# KiCad board modulo_seguidor-panel.kicad_pcb (continued)
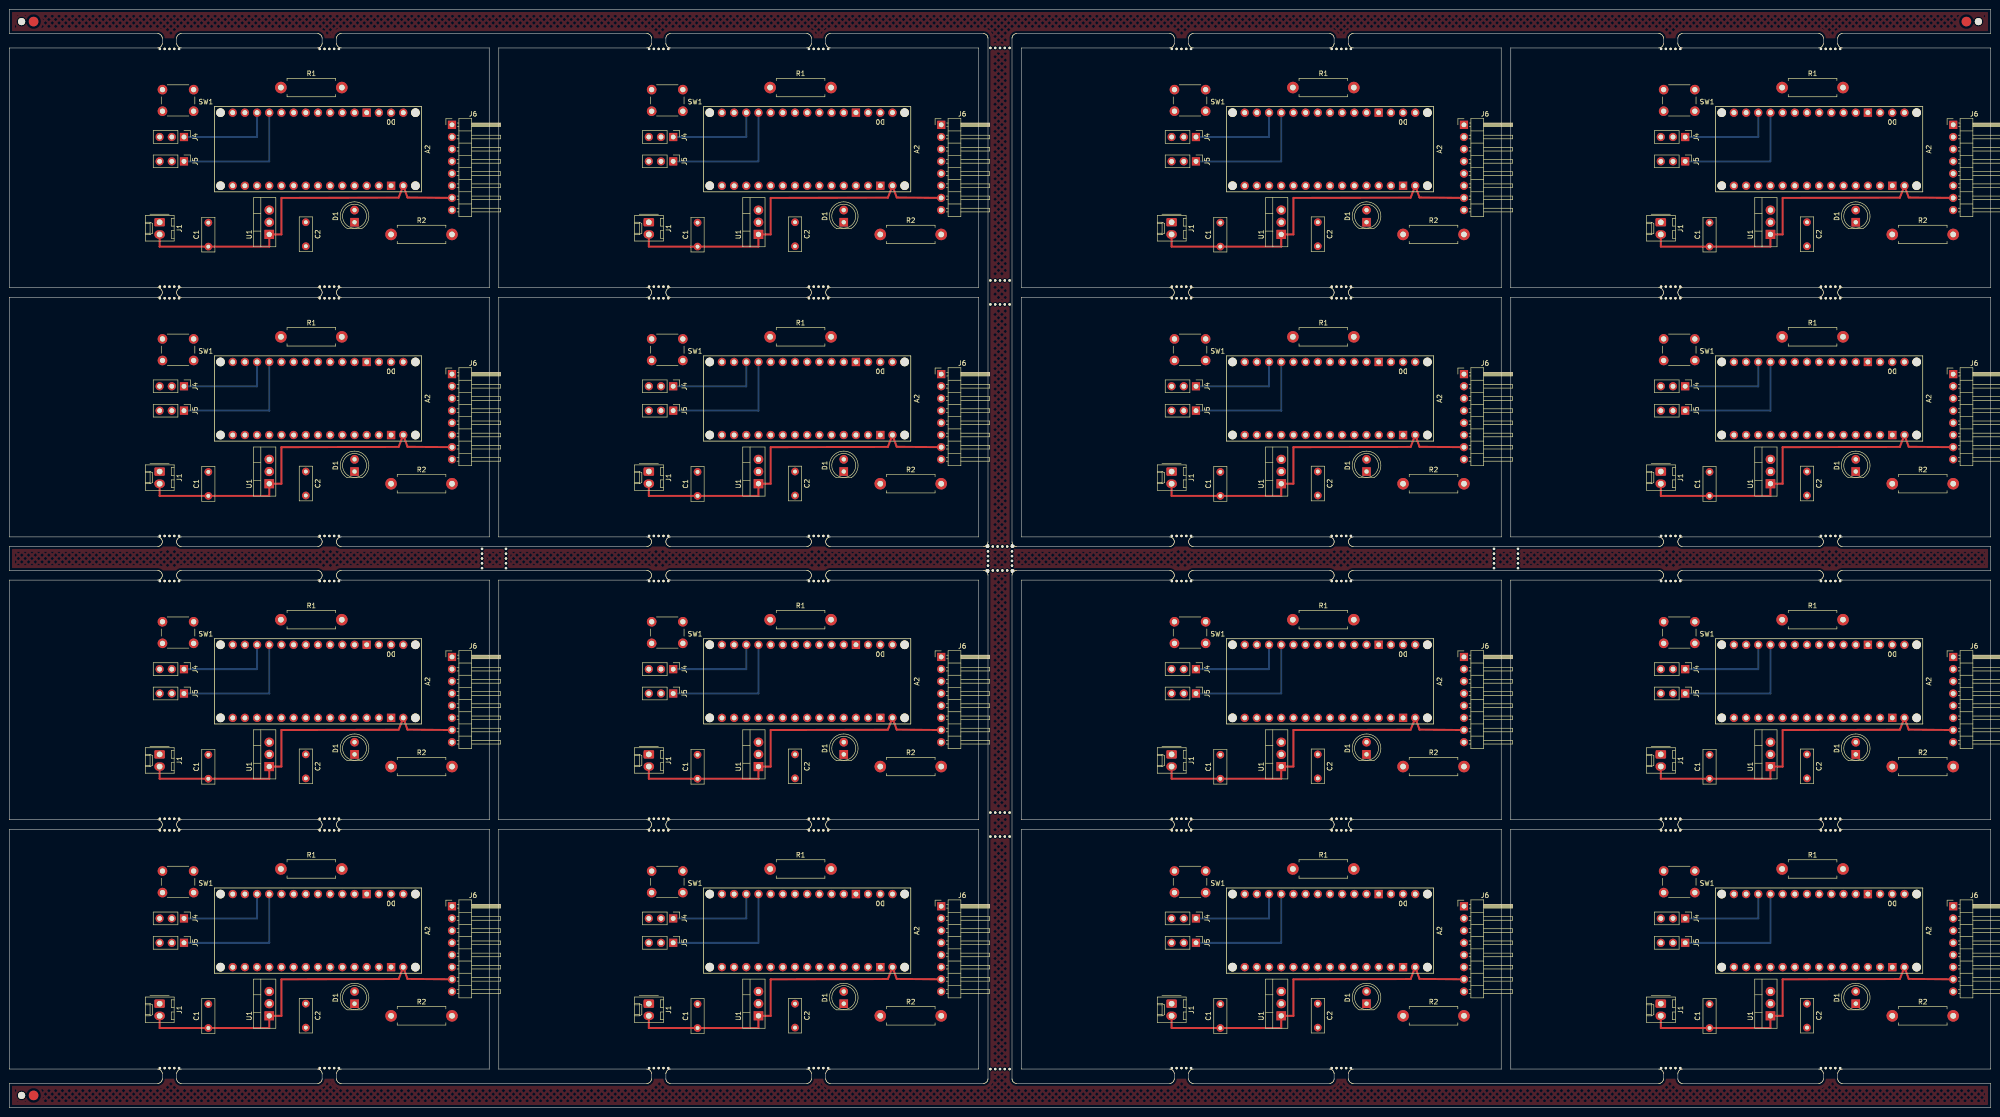
[diagram p0: board, top side]
## Nets (continued)
Board_10-unconnected-(A2-RESET-PadRST1): A2.RST1
Board_10-unconnected-(A2-RESET-PadRST2): A2.RST2
Board_10-VCC: A2.VIN C1.1 J1#5.2 J6#3.7 U1#15.1
Board_11-+5V: A2#7.5V SW1#11.1
Board_11-/Boton_encendido: A2#7.D8 R1#7.1 SW1#11.2
Board_11-/PWM_DER: A2#7.D9 J5#5.1
Board_11-/PWM_IZQ: A2#7.D10 J4#6.1
Board_11-/Salida Regulador: C2#11.1 J4#6.2 J5#5.2 U1#3.3
Board_11-/Sensor1: A2#7.D7 J6#14.6
Board_11-/Sensor2: A2#7.D6 J6#14.5
Board_11-/Sensor3: A2#7.D5 J6#14.4
Board_11-/Sensor4: A2#7.D4 J6#14.3
Board_11-/Sensor5: A2#7.D3 J6#14.2
Board_11-/Sensor6: A2#7.D2 J6#14.1
Board_11-GND: A2#7.GND1 A2#7.GND2 C1#7.2 C2#11.2 J1#6.1 J4#6.3 J5#5.3 J6#14.8 R1#7.2 R2#8.2 U1#3.2
Board_11-Net-(D1-A): A2#7.A7 D1#11.2
Board_11-Net-(D1-K): D1#11.1 R2#8.1
Board_11-unconnected-(A2-3.3V-Pad3V3): A2#7.3V3
Board_11-unconnected-(A2-A4/SDA-PadA4): A2#7.A4
Board_11-unconnected-(A2-A5/SCL-PadA5): A2#7.A5
Board_11-unconnected-(A2-D0/RX-PadD0): A2#7.D0
Board_11-unconnected-(A2-D1/TX-PadD1): A2#7.D1
Board_11-unconnected-(A2-D11_MOSI-PadD11): A2#7.D11
Board_11-unconnected-(A2-D12_MISO-PadD12): A2#7.D12
Board_11-unconnected-(A2-D13_SCK-PadD13): A2#7.D13
Board_11-unconnected-(A2-PadA0): A2#7.A0
Board_11-unconnected-(A2-PadA1): A2#7.A1
Board_11-unconnected-(A2-PadA2): A2#7.A2
Board_11-unconnected-(A2-PadA3): A2#7.A3
Board_11-unconnected-(A2-PadA6): A2#7.A6
Board_11-unconnected-(A2-PadAREF): A2#7.AREF
Board_11-unconnected-(A2-RESET-PadRST1): A2#7.RST1
Board_11-unconnected-(A2-RESET-PadRST2): A2#7.RST2
Board_11-VCC: A2#7.VIN C1#7.1 J1#6.2 J6#14.7 U1#3.1
Board_12-+5V: A2#2.5V SW1#7.1
Board_12-/Boton_encendido: A2#2.D8 R1#3.1 SW1#7.2
Board_12-/PWM_DER: A2#2.D9 J5#9.1
Board_12-/PWM_IZQ: A2#2.D10 J4#3.1
Board_12-/Salida Regulador: C2#16.1 J4#3.2 J5#9.2 U1#4.3
Board_12-/Sensor1: A2#2.D7 J6#16.6
Board_12-/Sensor2: A2#2.D6 J6#16.5
Board_12-/Sensor3: A2#2.D5 J6#16.4
Board_12-/Sensor4: A2#2.D4 J6#16.3
Board_12-/Sensor5: A2#2.D3 J6#16.2
Board_12-/Sensor6: A2#2.D2 J6#16.1
Board_12-GND: A2#2.GND1 A2#2.GND2 C1#8.2 C2#16.2 J1#3.1 J4#3.3 J5#9.3 J6#16.8 R1#3.2 R2.2 U1#4.2
Board_12-Net-(D1-A): A2#2.A7 D1#5.2
Board_12-Net-(D1-K): D1#5.1 R2.1
Board_12-unconnected-(A2-3.3V-Pad3V3): A2#2.3V3
Board_12-unconnected-(A2-A4/SDA-PadA4): A2#2.A4
Board_12-unconnected-(A2-A5/SCL-PadA5): A2#2.A5
Board_12-unconnected-(A2-D0/RX-PadD0): A2#2.D0
Board_12-unconnected-(A2-D1/TX-PadD1): A2#2.D1
Board_12-unconnected-(A2-D11_MOSI-PadD11): A2#2.D11
Board_12-unconnected-(A2-D12_MISO-PadD12): A2#2.D12
Board_12-unconnected-(A2-D13_SCK-PadD13): A2#2.D13
Board_12-unconnected-(A2-PadA0): A2#2.A0
Board_12-unconnected-(A2-PadA1): A2#2.A1
Board_12-unconnected-(A2-PadA2): A2#2.A2
Board_12-unconnected-(A2-PadA3): A2#2.A3
Board_12-unconnected-(A2-PadA6): A2#2.A6
Board_12-unconnected-(A2-PadAREF): A2#2.AREF
Board_12-unconnected-(A2-RESET-PadRST1): A2#2.RST1
Board_12-unconnected-(A2-RESET-PadRST2): A2#2.RST2
Board_12-VCC: A2#2.VIN C1#8.1 J1#3.2 J6#16.7 U1#4.1
Board_13-+5V: A2#8.5V SW1#4.1
Board_13-/Boton_encendido: A2#8.D8 R1#11.1 SW1#4.2
Board_13-/PWM_DER: A2#8.D9 J5#15.1
Board_13-/PWM_IZQ: A2#8.D10 J4#9.1
Board_13-/Salida Regulador: C2#6.1 J4#9.2 J5#15.2 U1#8.3
Board_13-/Sensor1: A2#8.D7 J6#6.6
Board_13-/Sensor2: A2#8.D6 J6#6.5
Board_13-/Sensor3: A2#8.D5 J6#6.4
Board_13-/Sensor4: A2#8.D4 J6#6.3
Board_13-/Sensor5: A2#8.D3 J6#6.2
Board_13-/Sensor6: A2#8.D2 J6#6.1
Board_13-GND: A2#8.GND1 A2#8.GND2 C1#12.2 C2#6.2 J1.1 J4#9.3 J5#15.3 J6#6.8 R1#11.2 R2#2.2 U1#8.2
Board_13-Net-(D1-A): A2#8.A7 D1#15.2
Board_13-Net-(D1-K): D1#15.1 R2#2.1
Board_13-unconnected-(A2-3.3V-Pad3V3): A2#8.3V3
Board_13-unconnected-(A2-A4/SDA-PadA4): A2#8.A4
Board_13-unconnected-(A2-A5/SCL-PadA5): A2#8.A5
Board_13-unconnected-(A2-D0/RX-PadD0): A2#8.D0
Board_13-unconnected-(A2-D1/TX-PadD1): A2#8.D1
Board_13-unconnected-(A2-D11_MOSI-PadD11): A2#8.D11
Board_13-unconnected-(A2-D12_MISO-PadD12): A2#8.D12
Board_13-unconnected-(A2-D13_SCK-PadD13): A2#8.D13
Board_13-unconnected-(A2-PadA0): A2#8.A0
Board_13-unconnected-(A2-PadA1): A2#8.A1
Board_13-unconnected-(A2-PadA2): A2#8.A2
Board_13-unconnected-(A2-PadA3): A2#8.A3
Board_13-unconnected-(A2-PadA6): A2#8.A6
Board_13-unconnected-(A2-PadAREF): A2#8.AREF
Board_13-unconnected-(A2-RESET-PadRST1): A2#8.RST1
Board_13-unconnected-(A2-RESET-PadRST2): A2#8.RST2
Board_13-VCC: A2#8.VIN C1#12.1 J1.2 J6#6.7 U1#8.1
Board_14-+5V: A2#4.5V SW1#15.1
Board_14-/Boton_encendido: A2#4.D8 R1#4.1 SW1#15.2
Board_14-/PWM_DER: A2#4.D9 J5#7.1
Board_14-/PWM_IZQ: A2#4.D10 J4#4.1
Board_14-/Salida Regulador: C2#12.1 J4#4.2 J5#7.2 U1.3
Board_14-/Sensor1: A2#4.D7 J6#7.6
Board_14-/Sensor2: A2#4.D6 J6#7.5
Board_14-/Sensor3: A2#4.D5 J6#7.4
Board_14-/Sensor4: A2#4.D4 J6#7.3
Board_14-/Sensor5: A2#4.D3 J6#7.2
Board_14-/Sensor6: A2#4.D2 J6#7.1
Board_14-GND: A2#4.GND1 A2#4.GND2 C1#14.2 C2#12.2 J1#11.1 J4#4.3 J5#7.3 J6#7.8 R1#4.2 R2#12.2 U1.2
Board_14-Net-(D1-A): A2#4.A7 D1#3.2
Board_14-Net-(D1-K): D1#3.1 R2#12.1
Board_14-unconnected-(A2-3.3V-Pad3V3): A2#4.3V3
Board_14-unconnected-(A2-A4/SDA-PadA4): A2#4.A4
Board_14-unconnected-(A2-A5/SCL-PadA5): A2#4.A5
Board_14-unconnected-(A2-D0/RX-PadD0): A2#4.D0
Board_14-unconnected-(A2-D1/TX-PadD1): A2#4.D1
Board_14-unconnected-(A2-D11_MOSI-PadD11): A2#4.D11
Board_14-unconnected-(A2-D12_MISO-PadD12): A2#4.D12
Board_14-unconnected-(A2-D13_SCK-PadD13): A2#4.D13
Board_14-unconnected-(A2-PadA0): A2#4.A0
Board_14-unconnected-(A2-PadA1): A2#4.A1
Board_14-unconnected-(A2-PadA2): A2#4.A2
Board_14-unconnected-(A2-PadA3): A2#4.A3
Board_14-unconnected-(A2-PadA6): A2#4.A6
Board_14-unconnected-(A2-PadAREF): A2#4.AREF
Board_14-unconnected-(A2-RESET-PadRST1): A2#4.RST1
Board_14-unconnected-(A2-RESET-PadRST2): A2#4.RST2
Board_14-VCC: A2#4.VIN C1#14.1 J1#11.2 J6#7.7 U1.1
Board_15-+5V: A2#12.5V SW1.1
Board_15-/Boton_encendido: A2#12.D8 R1.1 SW1.2
Board_15-/PWM_DER: A2#12.D9 J5#3.1
Board_15-/PWM_IZQ: A2#12.D10 J4#7.1
Board_15-/Salida Regulador: C2#10.1 J4#7.2 J5#3.2 U1#7.3
Board_15-/Sensor1: A2#12.D7 J6#15.6
Board_15-/Sensor2: A2#12.D6 J6#15.5
Board_15-/Sensor3: A2#12.D5 J6#15.4
Board_15-/Sensor4: A2#12.D4 J6#15.3
Board_15-/Sensor5: A2#12.D3 J6#15.2
Board_15-/Sensor6: A2#12.D2 J6#15.1
Board_15-GND: A2#12.GND1 A2#12.GND2 C1#16.2 C2#10.2 J1#12.1 J4#7.3 J5#3.3 J6#15.8 R1.2 R2#11.2 U1#7.2
Board_15-Net-(D1-A): A2#12.A7 D1#13.2
Board_15-Net-(D1-K): D1#13.1 R2#11.1
Board_15-unconnected-(A2-3.3V-Pad3V3): A2#12.3V3
Board_15-unconnected-(A2-A4/SDA-PadA4): A2#12.A4
Board_15-unconnected-(A2-A5/SCL-PadA5): A2#12.A5
Board_15-unconnected-(A2-D0/RX-PadD0): A2#12.D0
Board_15-unconnected-(A2-D1/TX-PadD1): A2#12.D1
Board_15-unconnected-(A2-D11_MOSI-PadD11): A2#12.D11
Board_15-unconnected-(A2-D12_MISO-PadD12): A2#12.D12
Board_15-unconnected-(A2-D13_SCK-PadD13): A2#12.D13
Board_15-unconnected-(A2-PadA0): A2#12.A0
Board_15-unconnected-(A2-PadA1): A2#12.A1
Board_15-unconnected-(A2-PadA2): A2#12.A2
Board_15-unconnected-(A2-PadA3): A2#12.A3
Board_15-unconnected-(A2-PadA6): A2#12.A6
Board_15-unconnected-(A2-PadAREF): A2#12.AREF
Board_15-unconnected-(A2-RESET-PadRST1): A2#12.RST1
Board_15-unconnected-(A2-RESET-PadRST2): A2#12.RST2
Board_15-VCC: A2#12.VIN C1#16.1 J1#12.2 J6#15.7 U1#7.1

## Routing (per net, layer and track width the routed paths; a pad name or vN(x,y) marks a point on that pad's centre or on a via; arc(x,y) is an arc through that point)
Board_0-+5V: length 57.8
  In10.Cu w0.4: SW1#16.1 SW1#16.1 38.92,207.26 38.92,206.26 38.9,194.8 74.46,194.8 A2#13.5V
Board_0-/Boton_encendido: length 29.9
  In7.Cu w0.4: SW1#16.2 SW1#16.2 R1#16.1 A2#13.D8
Board_0-/PWM_DER: length 27.9
  Bottom w0.4: A2#13.D9 54.14,197.34 J5#8.1
Board_0-/PWM_IZQ: length 20.3
  Bottom w0.4: A2#13.D10 51.6,202.42 J4#13.1
Board_0-/Salida Regulador: length 45.7
  In3.Cu w0.4: J5#8.2 J4#13.2
  In10.Cu w0.4: J5#8.2 33.82,187.18 U1#12.3 61.76,187.18 C2#4.1
Board_0-/Sensor1: length 43.1
  In9.Cu w0.4: A2#13.D7 59.23,198.04 84.65,194.92 J6#13.6
Board_0-/Sensor2: length 39.2
  In9.Cu w0.4: A2#13.D6 61.76,199.16 84.77,196.62 J6#13.5
Board_0-/Sensor3: length 35.1
  In9.Cu w0.4: J6#13.4 64.29,200.54 A2#13.D5
Board_0-/Sensor4: length 31.2
  In9.Cu w0.4: J6#13.3 66.85,201.79 A2#13.D4
Board_0-/Sensor5: length 27
  In9.Cu w0.4: A2#13.D3 69.38,203.36 J6#13.2
Board_0-/Sensor6: length 22.9
  In9.Cu w0.4: J6#13.1 71.92,204.96 A2#13.D2
Board_0-GND: length 137.9
  In1.Cu w0.4: A2#13.GND1 74.46,212.58 68.11,212.58 ; J1#8.1 J4#13.3 ; J1#8.1 C1#2.2 U1#12.2 59.22,184.64 59.3,179.64 C2#4.2 92.24,179.56 R2#6.2 J6#13.8 79.54,187.18 A2#13.GND2 ; J1#8.1 31.36,184.56
  In4.Cu w0.4: A2#13.GND1 79.54,202.42 A2#13.GND2
Board_0-Net-(D1-A): length 5.1
  In6.Cu w0.4: D1#6.2 A2#13.A7
Board_0-Net-(D1-K): length 10.2
  In6.Cu w0.4: D1#6.1 79.54,184.64 R2#6.1
Board_0-VCC: length 77.1
  Top w0.4: J6#13.7 82.96,189.81 A2#13.VIN 81.12,189.78 56.68,189.72 56.68,182.1 U1#12.1 54.14,179.56 C1#2.1 31.28,179.56 J1#8.2
Board_1-+5V: length 57.8
  In10.Cu w0.4: A2#14.5V 176.46,194.8 140.9,194.8 140.92,206.26 140.92,207.26 SW1#14.1 SW1#14.1
Board_1-/Boton_encendido: length 29.9
  In7.Cu w0.4: A2#14.D8 R1#2.1 SW1#14.2 SW1#14.2
Board_1-/PWM_DER: length 27.9
  Bottom w0.4: J5#4.1 156.14,197.34 A2#14.D9
Board_1-/PWM_IZQ: length 20.3
  Bottom w0.4: J4#16.1 153.6,202.42 A2#14.D10
Board_1-/Salida Regulador: length 45.7
  In3.Cu w0.4: J5#4.2 J4#16.2
  In10.Cu w0.4: J5#4.2 135.82,187.18 U1#14.3 163.76,187.18 C2#5.1
Board_1-/Sensor1: length 43.1
  In9.Cu w0.4: A2#14.D7 161.23,198.04 186.65,194.92 J6.6
Board_1-/Sensor2: length 39.2
  In9.Cu w0.4: A2#14.D6 163.76,199.16 186.77,196.62 J6.5
Board_1-/Sensor3: length 35.1
  In9.Cu w0.4: A2#14.D5 166.29,200.54 J6.4
Board_1-/Sensor4: length 31.2
  In9.Cu w0.4: J6.3 168.85,201.79 A2#14.D4
Board_1-/Sensor5: length 27
  In9.Cu w0.4: A2#14.D3 171.38,203.36 J6.2
Board_1-/Sensor6: length 22.9
  In9.Cu w0.4: A2#14.D2 173.92,204.96 J6.1
Board_1-GND: length 137.9
  In1.Cu w0.4: J1#13.1 J4#16.3 ; J1#13.1 133.36,184.56 ; J1#13.1 C1#5.2 U1#14.2 161.22,184.64 161.3,179.64 C2#5.2 194.24,179.56 R2#7.2 J6.8 181.54,187.18 A2#14.GND2 ; A2#14.GND1 176.46,212.58 170.11,212.58
  In4.Cu w0.4: A2#14.GND1 181.54,202.42 A2#14.GND2
Board_1-Net-(D1-A): length 5.1
  In6.Cu w0.4: D1#8.2 A2#14.A7
Board_1-Net-(D1-K): length 10.2
  In6.Cu w0.4: D1#8.1 181.54,184.64 R2#7.1
Board_1-VCC: length 77.1
  Top w0.4: J1#13.2 133.28,179.56 C1#5.1 156.14,179.56 U1#14.1 158.68,182.1 158.68,189.72 183.12,189.78 A2#14.VIN 184.96,189.81 J6.7
Board_2-+5V: length 57.8
  In10.Cu w0.4: A2#6.5V 285.46,194.8 249.9,194.8 249.92,206.26 249.92,207.26 SW1#3.1 SW1#3.1
Board_2-/Boton_encendido: length 29.9
  In7.Cu w0.4: SW1#3.2 SW1#3.2 R1#10.1 A2#6.D8
Board_2-/PWM_DER: length 27.9
  Bottom w0.4: A2#6.D9 265.14,197.34 J5#6.1
Board_2-/PWM_IZQ: length 20.3
  Bottom w0.4: J4#2.1 262.6,202.42 A2#6.D10
Board_2-/Salida Regulador: length 45.7
  In3.Cu w0.4: J5#6.2 J4#2.2
  In10.Cu w0.4: C2#8.1 272.76,187.18 U1#5.3 244.82,187.18 J5#6.2
Board_2-/Sensor1: length 43.1
  In9.Cu w0.4: J6#9.6 295.65,194.92 270.23,198.04 A2#6.D7
Board_2-/Sensor2: length 39.2
  In9.Cu w0.4: J6#9.5 295.77,196.62 272.76,199.16 A2#6.D6
Board_2-/Sensor3: length 35.1
  In9.Cu w0.4: A2#6.D5 275.29,200.54 J6#9.4
Board_2-/Sensor4: length 31.2
  In9.Cu w0.4: A2#6.D4 277.85,201.79 J6#9.3
Board_2-/Sensor5: length 27
  In9.Cu w0.4: A2#6.D3 280.38,203.36 J6#9.2
Board_2-/Sensor6: length 22.9
  In9.Cu w0.4: J6#9.1 282.92,204.96 A2#6.D2
Board_2-GND: length 137.9
  In1.Cu w0.4: A2#6.GND2 290.54,187.18 J6#9.8 R2#15.2 303.24,179.56 C2#8.2 270.3,179.64 270.22,184.64 U1#5.2 C1#3.2 J1#10.1 ; 242.36,184.56 J1#10.1 ; J1#10.1 J4#2.3 ; 279.11,212.58 285.46,212.58 A2#6.GND1
  In4.Cu w0.4: A2#6.GND2 290.54,202.42 A2#6.GND1
Board_2-Net-(D1-A): length 5.1
  In6.Cu w0.4: D1#12.2 A2#6.A7
Board_2-Net-(D1-K): length 10.2
  In6.Cu w0.4: D1#12.1 290.54,184.64 R2#15.1
Board_2-VCC: length 77.1
  Top w0.4: J1#10.2 242.28,179.56 C1#3.1 265.14,179.56 U1#5.1 267.68,182.1 267.68,189.72 292.12,189.78 A2#6.VIN 293.96,189.81 J6#9.7
Board_3-+5V: length 57.8
  In10.Cu w0.4: SW1#10.1 SW1#10.1 351.92,207.26 351.92,206.26 351.9,194.8 387.46,194.8 A2#9.5V
Board_3-/Boton_encendido: length 29.9
  In7.Cu w0.4: SW1#10.2 SW1#10.2 R1#6.1 A2#9.D8
Board_3-/PWM_DER: length 27.9
  Bottom w0.4: J5#13.1 367.14,197.34 A2#9.D9
Board_3-/PWM_IZQ: length 20.3
  Bottom w0.4: J4#11.1 364.6,202.42 A2#9.D10
Board_3-/Salida Regulador: length 45.7
  In3.Cu w0.4: J5#13.2 J4#11.2
  In10.Cu w0.4: C2.1 374.76,187.18 U1#2.3 346.82,187.18 J5#13.2
Board_3-/Sensor1: length 43.1
  In9.Cu w0.4: J6#11.6 397.65,194.92 372.23,198.04 A2#9.D7
Board_3-/Sensor2: length 39.2
  In9.Cu w0.4: A2#9.D6 374.76,199.16 397.77,196.62 J6#11.5
Board_3-/Sensor3: length 35.1
  In9.Cu w0.4: A2#9.D5 377.29,200.54 J6#11.4
Board_3-/Sensor4: length 31.2
  In9.Cu w0.4: J6#11.3 379.85,201.79 A2#9.D4
Board_3-/Sensor5: length 27
  In9.Cu w0.4: J6#11.2 382.38,203.36 A2#9.D3
Board_3-/Sensor6: length 22.9
  In9.Cu w0.4: J6#11.1 384.92,204.96 A2#9.D2
Board_3-GND: length 137.9
  In1.Cu w0.4: 381.11,212.58 387.46,212.58 A2#9.GND1 ; J1#2.1 C1#13.2 U1#2.2 372.22,184.64 372.3,179.64 C2.2 405.24,179.56 R2#3.2 J6#11.8 392.54,187.18 A2#9.GND2 ; J1#2.1 J4#11.3 ; J1#2.1 344.36,184.56
  In4.Cu w0.4: A2#9.GND1 392.54,202.42 A2#9.GND2
Board_3-Net-(D1-A): length 5.1
  In6.Cu w0.4: D1#4.2 A2#9.A7
Board_3-Net-(D1-K): length 10.2
  In6.Cu w0.4: D1#4.1 392.54,184.64 R2#3.1
Board_3-VCC: length 77.1
  Top w0.4: J1#2.2 344.28,179.56 C1#13.1 367.14,179.56 U1#2.1 369.68,182.1 369.68,189.72 394.12,189.78 A2#9.VIN 395.96,189.81 J6#11.7
Board_4-+5V: length 57.8
  In10.Cu w0.4: SW1#13.1 SW1#13.1 38.92,155.26 38.92,154.26 38.9,142.8 74.46,142.8 A2#5.5V
Board_4-/Boton_encendido: length 29.9
  In7.Cu w0.4: SW1#13.2 SW1#13.2 R1#8.1 A2#5.D8
Board_4-/PWM_DER: length 27.9
  Bottom w0.4: J5#16.1 54.14,145.34 A2#5.D9
Board_4-/PWM_IZQ: length 20.3
  Bottom w0.4: J4#10.1 51.6,150.42 A2#5.D10
Board_4-/Salida Regulador: length 45.7
  In3.Cu w0.4: J5#16.2 J4#10.2
  In10.Cu w0.4: C2#15.1 61.76,135.18 U1#6.3 33.82,135.18 J5#16.2
Board_4-/Sensor1: length 43.1
  In9.Cu w0.4: J6#12.6 84.65,142.92 59.23,146.04 A2#5.D7
Board_4-/Sensor2: length 39.2
  In9.Cu w0.4: J6#12.5 84.77,144.62 61.76,147.16 A2#5.D6
Board_4-/Sensor3: length 35.1
  In9.Cu w0.4: A2#5.D5 64.29,148.54 J6#12.4
Board_4-/Sensor4: length 31.2
  In9.Cu w0.4: J6#12.3 66.85,149.79 A2#5.D4
Board_4-/Sensor5: length 27
  In9.Cu w0.4: J6#12.2 69.38,151.36 A2#5.D3
Board_4-/Sensor6: length 22.9
  In9.Cu w0.4: A2#5.D2 71.92,152.96 J6#12.1
Board_4-GND: length 137.9
  In1.Cu w0.4: J1#9.1 C1#11.2 U1#6.2 59.22,132.64 59.3,127.64 C2#15.2 92.24,127.56 R2#16.2 J6#12.8 79.54,135.18 A2#5.GND2 ; J1#9.1 31.36,132.56 ; J1#9.1 J4#10.3 ; A2#5.GND1 74.46,160.58 68.11,160.58
  In4.Cu w0.4: A2#5.GND2 79.54,150.42 A2#5.GND1
Board_4-Net-(D1-A): length 5.1
  In6.Cu w0.4: D1#7.2 A2#5.A7
Board_4-Net-(D1-K): length 10.2
  In6.Cu w0.4: R2#16.1 79.54,132.64 D1#7.1
Board_4-VCC: length 77.1
  Top w0.4: J1#9.2 31.28,127.56 C1#11.1 54.14,127.56 U1#6.1 56.68,130.1 56.68,137.72 81.12,137.78 A2#5.VIN 82.96,137.81 J6#12.7
Board_5-+5V: length 57.8
  In10.Cu w0.4: SW1#5.1 SW1#5.1 140.92,155.26 140.92,154.26 140.9,142.8 176.46,142.8 A2#15.5V
Board_5-/Boton_encendido: length 29.9
  In7.Cu w0.4: SW1#5.2 SW1#5.2 R1#5.1 A2#15.D8
Board_5-/PWM_DER: length 27.9
  Bottom w0.4: A2#15.D9 156.14,145.34 J5.1
Board_5-/PWM_IZQ: length 20.3
  Bottom w0.4: A2#15.D10 153.6,150.42 J4#14.1
Board_5-/Salida Regulador: length 45.7
  In3.Cu w0.4: J5.2 J4#14.2
  In10.Cu w0.4: J5.2 135.82,135.18 U1#9.3 163.76,135.18 C2#13.1
Board_5-/Sensor1: length 43.1
  In9.Cu w0.4: J6#5.6 186.65,142.92 161.23,146.04 A2#15.D7
Board_5-/Sensor2: length 39.2
  In9.Cu w0.4: J6#5.5 186.77,144.62 163.76,147.16 A2#15.D6
Board_5-/Sensor3: length 35.1
  In9.Cu w0.4: J6#5.4 166.29,148.54 A2#15.D5
Board_5-/Sensor4: length 31.2
  In9.Cu w0.4: J6#5.3 168.85,149.79 A2#15.D4
Board_5-/Sensor5: length 27
  In9.Cu w0.4: J6#5.2 171.38,151.36 A2#15.D3
Board_5-/Sensor6: length 22.9
  In9.Cu w0.4: J6#5.1 173.92,152.96 A2#15.D2
Board_5-GND: length 137.9
  In1.Cu w0.4: 133.36,132.56 J1#4.1 ; J1#4.1 C1#9.2 U1#9.2 161.22,132.64 161.3,127.64 C2#13.2 194.24,127.56 R2#4.2 J6#5.8 181.54,135.18 A2#15.GND2 ; J1#4.1 J4#14.3 ; A2#15.GND1 176.46,160.58 170.11,160.58
  In4.Cu w0.4: A2#15.GND1 181.54,150.42 A2#15.GND2
Board_5-Net-(D1-A): length 5.1
  In6.Cu w0.4: D1#14.2 A2#15.A7
Board_5-Net-(D1-K): length 10.2
  In6.Cu w0.4: D1#14.1 181.54,132.64 R2#4.1
Board_5-VCC: length 77.1
  Top w0.4: J1#4.2 133.28,127.56 C1#9.1 156.14,127.56 U1#9.1 158.68,130.1 158.68,137.72 183.12,137.78 A2#15.VIN 184.96,137.81 J6#5.7
Board_6-+5V: length 57.8
  In10.Cu w0.4: SW1#6.1 SW1#6.1 249.92,155.26 249.92,154.26 249.9,142.8 285.46,142.8 A2#11.5V
Board_6-/Boton_encendido: length 29.9
  In7.Cu w0.4: SW1#6.2 SW1#6.2 R1#13.1 A2#11.D8
Board_6-/PWM_DER: length 27.9
  Bottom w0.4: A2#11.D9 265.14,145.34 J5#2.1
Board_6-/PWM_IZQ: length 20.3
  Bottom w0.4: A2#11.D10 262.6,150.42 J4#15.1
Board_6-/Salida Regulador: length 45.7
  In3.Cu w0.4: J5#2.2 J4#15.2
  In10.Cu w0.4: J5#2.2 244.82,135.18 U1#13.3 272.76,135.18 C2#9.1
Board_6-/Sensor1: length 43.1
  In9.Cu w0.4: A2#11.D7 270.23,146.04 295.65,142.92 J6#8.6
Board_6-/Sensor2: length 39.2
  In9.Cu w0.4: A2#11.D6 272.76,147.16 295.77,144.62 J6#8.5
Board_6-/Sensor3: length 35.1
  In9.Cu w0.4: J6#8.4 275.29,148.54 A2#11.D5
Board_6-/Sensor4: length 31.2
  In9.Cu w0.4: J6#8.3 277.85,149.79 A2#11.D4
Board_6-/Sensor5: length 27
  In9.Cu w0.4: A2#11.D3 280.38,151.36 J6#8.2
Board_6-/Sensor6: length 22.9
  In9.Cu w0.4: A2#11.D2 282.92,152.96 J6#8.1
Board_6-GND: length 137.9
  In1.Cu w0.4: J1#15.1 J4#15.3 ; J1#15.1 C1#4.2 U1#13.2 270.22,132.64 270.3,127.64 C2#9.2 303.24,127.56 R2#9.2 J6#8.8 290.54,135.18 A2#11.GND2 ; J1#15.1 242.36,132.56 ; 279.11,160.58 285.46,160.58 A2#11.GND1
  In4.Cu w0.4: A2#11.GND1 290.54,150.42 A2#11.GND2
Board_6-Net-(D1-A): length 5.1
  In6.Cu w0.4: D1#16.2 A2#11.A7
Board_6-Net-(D1-K): length 10.2
  In6.Cu w0.4: R2#9.1 290.54,132.64 D1#16.1
Board_6-VCC: length 77.1
  Top w0.4: J6#8.7 293.96,137.81 A2#11.VIN 292.12,137.78 267.68,137.72 267.68,130.1 U1#13.1 265.14,127.56 C1#4.1 242.28,127.56 J1#15.2
Board_7-+5V: length 57.8
  In10.Cu w0.4: A2#16.5V 387.46,142.8 351.9,142.8 351.92,154.26 351.92,155.26 SW1#12.1 SW1#12.1
Board_7-/Boton_encendido: length 29.9
  In7.Cu w0.4: A2#16.D8 R1#12.1 SW1#12.2 SW1#12.2
Board_7-/PWM_DER: length 27.9
  Bottom w0.4: A2#16.D9 367.14,145.34 J5#12.1
Board_7-/PWM_IZQ: length 20.3
  Bottom w0.4: J4#12.1 364.6,150.42 A2#16.D10
Board_7-/Salida Regulador: length 45.7
  In3.Cu w0.4: J5#12.2 J4#12.2
  In10.Cu w0.4: C2#3.1 374.76,135.18 U1#10.3 346.82,135.18 J5#12.2
Board_7-/Sensor1: length 43.1
  In9.Cu w0.4: A2#16.D7 372.23,146.04 397.65,142.92 J6#4.6
Board_7-/Sensor2: length 39.2
  In9.Cu w0.4: J6#4.5 397.77,144.62 374.76,147.16 A2#16.D6
Board_7-/Sensor3: length 35.1
  In9.Cu w0.4: A2#16.D5 377.29,148.54 J6#4.4
Board_7-/Sensor4: length 31.2
  In9.Cu w0.4: A2#16.D4 379.85,149.79 J6#4.3
Board_7-/Sensor5: length 27
  In9.Cu w0.4: A2#16.D3 382.38,151.36 J6#4.2
Board_7-/Sensor6: length 22.9
  In9.Cu w0.4: A2#16.D2 384.92,152.96 J6#4.1
Board_7-GND: length 137.9
  In1.Cu w0.4: 344.36,132.56 J1#14.1 ; J1#14.1 J4#12.3 ; J1#14.1 C1#6.2 U1#10.2 372.22,132.64 372.3,127.64 C2#3.2 405.24,127.56 R2#5.2 J6#4.8 392.54,135.18 A2#16.GND2 ; 381.11,160.58 387.46,160.58 A2#16.GND1
  In4.Cu w0.4: A2#16.GND2 392.54,150.42 A2#16.GND1
Board_7-Net-(D1-A): length 5.1
  In6.Cu w0.4: D1#2.2 A2#16.A7
Board_7-Net-(D1-K): length 10.2
  In6.Cu w0.4: D1#2.1 392.54,132.64 R2#5.1
Board_7-VCC: length 77.1
  Top w0.4: J6#4.7 395.96,137.81 A2#16.VIN 394.12,137.78 369.68,137.72 369.68,130.1 U1#10.1 367.14,127.56 C1#6.1 344.28,127.56 J1#14.2
Board_8-+5V: length 57.8
  In10.Cu w0.4: SW1#2.1 SW1#2.1 38.92,96.26 38.92,95.26 38.9,83.8 74.46,83.8 A2#3.5V
Board_8-/Boton_encendido: length 29.9
  In7.Cu w0.4: SW1#2.2 SW1#2.2 R1#14.1 A2#3.D8
Board_8-/PWM_DER: length 27.9
  Bottom w0.4: A2#3.D9 54.14,86.34 J5#10.1
Board_8-/PWM_IZQ: length 20.3
  Bottom w0.4: J4.1 51.6,91.42 A2#3.D10
Board_8-/Salida Regulador: length 45.7
  In3.Cu w0.4: J5#10.2 J4.2
  In10.Cu w0.4: C2#14.1 61.76,76.18 U1#11.3 33.82,76.18 J5#10.2
Board_8-/Sensor1: length 43.1
  In9.Cu w0.4: A2#3.D7 59.23,87.04 84.65,83.92 J6#2.6
Board_8-/Sensor2: length 39.2
  In9.Cu w0.4: J6#2.5 84.77,85.62 61.76,88.16 A2#3.D6
Board_8-/Sensor3: length 35.1
  In9.Cu w0.4: A2#3.D5 64.29,89.54 J6#2.4
Board_8-/Sensor4: length 31.2
  In9.Cu w0.4: A2#3.D4 66.85,90.79 J6#2.3
Board_8-/Sensor5: length 27
  In9.Cu w0.4: J6#2.2 69.38,92.36 A2#3.D3
Board_8-/Sensor6: length 22.9
  In9.Cu w0.4: A2#3.D2 71.92,93.96 J6#2.1
Board_8-GND: length 137.9
  In1.Cu w0.4: J1#7.1 C1#15.2 U1#11.2 59.22,73.64 59.3,68.64 C2#14.2 92.24,68.56 R2#13.2 J6#2.8 79.54,76.18 A2#3.GND2 ; J1#7.1 31.36,73.56 ; J1#7.1 J4.3 ; 68.11,101.58 74.46,101.58 A2#3.GND1
  In4.Cu w0.4: A2#3.GND1 79.54,91.42 A2#3.GND2
Board_8-Net-(D1-A): length 5.1
  In6.Cu w0.4: D1.2 A2#3.A7
Board_8-Net-(D1-K): length 10.2
  In6.Cu w0.4: R2#13.1 79.54,73.64 D1.1
Board_8-VCC: length 77.1
  Top w0.4: J6#2.7 82.96,78.81 A2#3.VIN 81.12,78.78 56.68,78.72 56.68,71.1 U1#11.1 54.14,68.56 C1#15.1 31.28,68.56 J1#7.2
Board_9-+5V: length 57.8
  In10.Cu w0.4: A2#10.5V 176.46,83.8 140.9,83.8 140.92,95.26 140.92,96.26 SW1#8.1 SW1#8.1
Board_9-/Boton_encendido: length 29.9
  In7.Cu w0.4: SW1#8.2 SW1#8.2 R1#15.1 A2#10.D8
Board_9-/PWM_DER: length 27.9
  Bottom w0.4: J5#14.1 156.14,86.34 A2#10.D9
Board_9-/PWM_IZQ: length 20.3
  Bottom w0.4: J4#8.1 153.6,91.42 A2#10.D10
Board_9-/Salida Regulador: length 45.7
  In3.Cu w0.4: J5#14.2 J4#8.2
  In10.Cu w0.4: C2#7.1 163.76,76.18 U1#16.3 135.82,76.18 J5#14.2
Board_9-/Sensor1: length 43.1
  In9.Cu w0.4: A2#10.D7 161.23,87.04 186.65,83.92 J6#10.6
Board_9-/Sensor2: length 39.2
  In9.Cu w0.4: A2#10.D6 163.76,88.16 186.77,85.62 J6#10.5
Board_9-/Sensor3: length 35.1
  In9.Cu w0.4: J6#10.4 166.29,89.54 A2#10.D5
Board_9-/Sensor4: length 31.2
  In9.Cu w0.4: J6#10.3 168.85,90.79 A2#10.D4
Board_9-/Sensor5: length 27
  In9.Cu w0.4: A2#10.D3 171.38,92.36 J6#10.2
Board_9-/Sensor6: length 22.9
  In9.Cu w0.4: A2#10.D2 173.92,93.96 J6#10.1
Board_9-GND: length 137.9
  In1.Cu w0.4: 133.36,73.56 J1#16.1 ; J1#16.1 J4#8.3 ; J1#16.1 C1#10.2 U1#16.2 161.22,73.64 161.3,68.64 C2#7.2 194.24,68.56 R2#14.2 J6#10.8 181.54,76.18 A2#10.GND2 ; A2#10.GND1 176.46,101.58 170.11,101.58
  In4.Cu w0.4: A2#10.GND1 181.54,91.42 A2#10.GND2
Board_9-Net-(D1-A): length 5.1
  In6.Cu w0.4: D1#9.2 A2#10.A7
Board_9-Net-(D1-K): length 10.2
  In6.Cu w0.4: D1#9.1 181.54,73.64 R2#14.1
Board_9-VCC: length 77.1
  Top w0.4: J1#16.2 133.28,68.56 C1#10.1 156.14,68.56 U1#16.1 158.68,71.1 158.68,78.72 183.12,78.78 A2#10.VIN 184.96,78.81 J6#10.7
Board_10-+5V: length 57.8
  In10.Cu w0.4: A2.5V 285.46,83.8 249.9,83.8 249.92,95.26 249.92,96.26 SW1#9.1 SW1#9.1
Board_10-/Boton_encendido: length 29.9
  In7.Cu w0.4: A2.D8 R1#9.1 SW1#9.2 SW1#9.2
Board_10-/PWM_DER: length 27.9
  Bottom w0.4: J5#11.1 265.14,86.34 A2.D9
Board_10-/PWM_IZQ: length 20.3
  Bottom w0.4: J4#5.1 262.6,91.42 A2.D10
Board_10-/Salida Regulador: length 45.7
  In3.Cu w0.4: J5#11.2 J4#5.2
  In10.Cu w0.4: C2#2.1 272.76,76.18 U1#15.3 244.82,76.18 J5#11.2
Board_10-/Sensor1: length 43.1
  In9.Cu w0.4: A2.D7 270.23,87.04 295.65,83.92 J6#3.6
Board_10-/Sensor2: length 39.2
  In9.Cu w0.4: A2.D6 272.76,88.16 295.77,85.62 J6#3.5
Board_10-/Sensor3: length 35.1
  In9.Cu w0.4: A2.D5 275.29,89.54 J6#3.4
Board_10-/Sensor4: length 31.2
  In9.Cu w0.4: J6#3.3 277.85,90.79 A2.D4
Board_10-/Sensor5: length 27
  In9.Cu w0.4: A2.D3 280.38,92.36 J6#3.2
Board_10-/Sensor6: length 22.9
  In9.Cu w0.4: J6#3.1 282.92,93.96 A2.D2
Board_10-GND: length 137.9
  In1.Cu w0.4: 279.11,101.58 285.46,101.58 A2.GND1 ; A2.GND2 290.54,76.18 J6#3.8 R2#10.2 303.24,68.56 C2#2.2 270.3,68.64 270.22,73.64 U1#15.2 C1.2 J1#5.1 ; J1#5.1 242.36,73.56 ; J1#5.1 J4#5.3
  In4.Cu w0.4: A2.GND1 290.54,91.42 A2.GND2
Board_10-Net-(D1-A): length 5.1
  In6.Cu w0.4: D1#10.2 A2.A7
Board_10-Net-(D1-K): length 10.2
  In6.Cu w0.4: R2#10.1 290.54,73.64 D1#10.1
Board_10-VCC: length 77.1
  Top w0.4: J1#5.2 242.28,68.56 C1.1 265.14,68.56 U1#15.1 267.68,71.1 267.68,78.72 292.12,78.78 A2.VIN 293.96,78.81 J6#3.7
Board_11-+5V: length 57.8
  In10.Cu w0.4: A2#7.5V 387.46,83.8 351.9,83.8 351.92,95.26 351.92,96.26 SW1#11.1 SW1#11.1
Board_11-/Boton_encendido: length 29.9
  In7.Cu w0.4: A2#7.D8 R1#7.1 SW1#11.2 SW1#11.2
Board_11-/PWM_DER: length 27.9
  Bottom w0.4: A2#7.D9 367.14,86.34 J5#5.1
Board_11-/PWM_IZQ: length 20.3
  Bottom w0.4: A2#7.D10 364.6,91.42 J4#6.1
Board_11-/Salida Regulador: length 45.7
  In3.Cu w0.4: J5#5.2 J4#6.2
  In10.Cu w0.4: C2#11.1 374.76,76.18 U1#3.3 346.82,76.18 J5#5.2
Board_11-/Sensor1: length 43.1
  In9.Cu w0.4: J6#14.6 397.65,83.92 372.23,87.04 A2#7.D7
Board_11-/Sensor2: length 39.2
  In9.Cu w0.4: J6#14.5 397.77,85.62 374.76,88.16 A2#7.D6
Board_11-/Sensor3: length 35.1
  In9.Cu w0.4: A2#7.D5 377.29,89.54 J6#14.4
Board_11-/Sensor4: length 31.2
  In9.Cu w0.4: J6#14.3 379.85,90.79 A2#7.D4
Board_11-/Sensor5: length 27
  In9.Cu w0.4: A2#7.D3 382.38,92.36 J6#14.2
Board_11-/Sensor6: length 22.9
  In9.Cu w0.4: J6#14.1 384.92,93.96 A2#7.D2
Board_11-GND: length 137.9
  In1.Cu w0.4: J1#6.1 J4#6.3 ; J1#6.1 344.36,73.56 ; J1#6.1 C1#7.2 U1#3.2 372.22,73.64 372.3,68.64 C2#11.2 405.24,68.56 R2#8.2 J6#14.8 392.54,76.18 A2#7.GND2 ; A2#7.GND1 387.46,101.58 381.11,101.58
  In4.Cu w0.4: A2#7.GND1 392.54,91.42 A2#7.GND2
Board_11-Net-(D1-A): length 5.1
  In6.Cu w0.4: D1#11.2 A2#7.A7
Board_11-Net-(D1-K): length 10.2
  In6.Cu w0.4: D1#11.1 392.54,73.64 R2#8.1
Board_11-VCC: length 77.1
  Top w0.4: J6#14.7 395.96,78.81 A2#7.VIN 394.12,78.78 369.68,78.72 369.68,71.1 U1#3.1 367.14,68.56 C1#7.1 344.28,68.56 J1#6.2
Board_12-+5V: length 57.8
  In10.Cu w0.4: A2#2.5V 74.46,31.8 38.9,31.8 38.92,43.26 38.92,44.26 SW1#7.1 SW1#7.1
Board_12-/Boton_encendido: length 29.9
  In7.Cu w0.4: SW1#7.2 SW1#7.2 R1#3.1 A2#2.D8
Board_12-/PWM_DER: length 27.9
  Bottom w0.4: A2#2.D9 54.14,34.34 J5#9.1
Board_12-/PWM_IZQ: length 20.3
  Bottom w0.4: J4#3.1 51.6,39.42 A2#2.D10
Board_12-/Salida Regulador: length 45.7
  In3.Cu w0.4: J5#9.2 J4#3.2
  In10.Cu w0.4: J5#9.2 33.82,24.18 U1#4.3 61.76,24.18 C2#16.1
Board_12-/Sensor1: length 43.1
  In9.Cu w0.4: J6#16.6 84.65,31.92 59.23,35.04 A2#2.D7
Board_12-/Sensor2: length 39.2
  In9.Cu w0.4: A2#2.D6 61.76,36.16 84.77,33.62 J6#16.5
Board_12-/Sensor3: length 35.1
  In9.Cu w0.4: A2#2.D5 64.29,37.54 J6#16.4
Board_12-/Sensor4: length 31.2
  In9.Cu w0.4: A2#2.D4 66.85,38.79 J6#16.3
Board_12-/Sensor5: length 27
  In9.Cu w0.4: A2#2.D3 69.38,40.36 J6#16.2
Board_12-/Sensor6: length 22.9
  In9.Cu w0.4: J6#16.1 71.92,41.96 A2#2.D2
Board_12-GND: length 137.9
  In1.Cu w0.4: A2#2.GND1 74.46,49.58 68.11,49.58 ; J1#3.1 C1#8.2 U1#4.2 59.22,21.64 59.3,16.64 C2#16.2 92.24,16.56 R2.2 J6#16.8 79.54,24.18 A2#2.GND2 ; J1#3.1 31.36,21.56 ; J1#3.1 J4#3.3
  In4.Cu w0.4: A2#2.GND2 79.54,39.42 A2#2.GND1
Board_12-Net-(D1-A): length 5.1
  In6.Cu w0.4: D1#5.2 A2#2.A7
Board_12-Net-(D1-K): length 10.2
  In6.Cu w0.4: D1#5.1 79.54,21.64 R2.1
Board_12-VCC: length 77.1
  Top w0.4: J6#16.7 82.96,26.81 A2#2.VIN 81.12,26.78 56.68,26.72 56.68,19.1 U1#4.1 54.14,16.56 C1#8.1 31.28,16.56 J1#3.2
Board_13-+5V: length 57.8
  In10.Cu w0.4: SW1#4.1 SW1#4.1 140.92,44.26 140.92,43.26 140.9,31.8 176.46,31.8 A2#8.5V
Board_13-/Boton_encendido: length 29.9
  In7.Cu w0.4: A2#8.D8 R1#11.1 SW1#4.2 SW1#4.2
Board_13-/PWM_DER: length 27.9
  Bottom w0.4: A2#8.D9 156.14,34.34 J5#15.1
Board_13-/PWM_IZQ: length 20.3
  Bottom w0.4: A2#8.D10 153.6,39.42 J4#9.1
Board_13-/Salida Regulador: length 45.7
  In3.Cu w0.4: J5#15.2 J4#9.2
  In10.Cu w0.4: C2#6.1 163.76,24.18 U1#8.3 135.82,24.18 J5#15.2
Board_13-/Sensor1: length 43.1
  In9.Cu w0.4: A2#8.D7 161.23,35.04 186.65,31.92 J6#6.6
Board_13-/Sensor2: length 39.2
  In9.Cu w0.4: J6#6.5 186.77,33.62 163.76,36.16 A2#8.D6
Board_13-/Sensor3: length 35.1
  In9.Cu w0.4: J6#6.4 166.29,37.54 A2#8.D5
Board_13-/Sensor4: length 31.2
  In9.Cu w0.4: A2#8.D4 168.85,38.79 J6#6.3
Board_13-/Sensor5: length 27
  In9.Cu w0.4: A2#8.D3 171.38,40.36 J6#6.2
Board_13-/Sensor6: length 22.9
  In9.Cu w0.4: J6#6.1 173.92,41.96 A2#8.D2
Board_13-GND: length 137.9
  In1.Cu w0.4: 170.11,49.58 176.46,49.58 A2#8.GND1 ; A2#8.GND2 181.54,24.18 J6#6.8 R2#2.2 194.24,16.56 C2#6.2 161.3,16.64 161.22,21.64 U1#8.2 C1#12.2 J1.1 ; 133.36,21.56 J1.1 ; J1.1 J4#9.3
  In4.Cu w0.4: A2#8.GND1 181.54,39.42 A2#8.GND2
Board_13-Net-(D1-A): length 5.1
  In6.Cu w0.4: D1#15.2 A2#8.A7
Board_13-Net-(D1-K): length 10.2
  In6.Cu w0.4: R2#2.1 181.54,21.64 D1#15.1
Board_13-VCC: length 77.1
  Top w0.4: J1.2 133.28,16.56 C1#12.1 156.14,16.56 U1#8.1 158.68,19.1 158.68,26.72 183.12,26.78 A2#8.VIN 184.96,26.81 J6#6.7
Board_14-+5V: length 57.8
  In10.Cu w0.4: SW1#15.1 SW1#15.1 249.92,44.26 249.92,43.26 249.9,31.8 285.46,31.8 A2#4.5V
Board_14-/Boton_encendido: length 29.9
  In7.Cu w0.4: A2#4.D8 R1#4.1 SW1#15.2 SW1#15.2
Board_14-/PWM_DER: length 27.9
  Bottom w0.4: J5#7.1 265.14,34.34 A2#4.D9
Board_14-/PWM_IZQ: length 20.3
  Bottom w0.4: A2#4.D10 262.6,39.42 J4#4.1
Board_14-/Salida Regulador: length 45.7
  In3.Cu w0.4: J5#7.2 J4#4.2
  In10.Cu w0.4: C2#12.1 272.76,24.18 U1.3 244.82,24.18 J5#7.2
Board_14-/Sensor1: length 43.1
  In9.Cu w0.4: J6#7.6 295.65,31.92 270.23,35.04 A2#4.D7
Board_14-/Sensor2: length 39.2
  In9.Cu w0.4: A2#4.D6 272.76,36.16 295.77,33.62 J6#7.5
Board_14-/Sensor3: length 35.1
  In9.Cu w0.4: A2#4.D5 275.29,37.54 J6#7.4
Board_14-/Sensor4: length 31.2
  In9.Cu w0.4: A2#4.D4 277.85,38.79 J6#7.3
Board_14-/Sensor5: length 27
  In9.Cu w0.4: A2#4.D3 280.38,40.36 J6#7.2
Board_14-/Sensor6: length 22.9
  In9.Cu w0.4: J6#7.1 282.92,41.96 A2#4.D2
Board_14-GND: length 137.9
  In1.Cu w0.4: J1#11.1 C1#14.2 U1.2 270.22,21.64 270.3,16.64 C2#12.2 303.24,16.56 R2#12.2 J6#7.8 290.54,24.18 A2#4.GND2 ; J1#11.1 242.36,21.56 ; J1#11.1 J4#4.3 ; 279.11,49.58 285.46,49.58 A2#4.GND1
  In4.Cu w0.4: A2#4.GND1 290.54,39.42 A2#4.GND2
Board_14-Net-(D1-A): length 5.1
  In6.Cu w0.4: D1#3.2 A2#4.A7
Board_14-Net-(D1-K): length 10.2
  In6.Cu w0.4: R2#12.1 290.54,21.64 D1#3.1
Board_14-VCC: length 77.1
  Top w0.4: J1#11.2 242.28,16.56 C1#14.1 265.14,16.56 U1.1 267.68,19.1 267.68,26.72 292.12,26.78 A2#4.VIN 293.96,26.81 J6#7.7
Board_15-+5V: length 57.8
  In10.Cu w0.4: A2#12.5V 387.46,31.8 351.9,31.8 351.92,43.26 351.92,44.26 SW1.1 SW1.1
Board_15-/Boton_encendido: length 29.9
  In7.Cu w0.4: A2#12.D8 R1.1 SW1.2 SW1.2
Board_15-/PWM_DER: length 27.9
  Bottom w0.4: J5#3.1 367.14,34.34 A2#12.D9
Board_15-/PWM_IZQ: length 20.3
  Bottom w0.4: A2#12.D10 364.6,39.42 J4#7.1
Board_15-/Salida Regulador: length 45.7
  In3.Cu w0.4: J5#3.2 J4#7.2
  In10.Cu w0.4: C2#10.1 374.76,24.18 U1#7.3 346.82,24.18 J5#3.2
Board_15-/Sensor1: length 43.1
  In9.Cu w0.4: A2#12.D7 372.23,35.04 397.65,31.92 J6#15.6
Board_15-/Sensor2: length 39.2
  In9.Cu w0.4: A2#12.D6 374.76,36.16 397.77,33.62 J6#15.5
Board_15-/Sensor3: length 35.1
  In9.Cu w0.4: A2#12.D5 377.29,37.54 J6#15.4
Board_15-/Sensor4: length 31.2
  In9.Cu w0.4: A2#12.D4 379.85,38.79 J6#15.3
Board_15-/Sensor5: length 27
  In9.Cu w0.4: J6#15.2 382.38,40.36 A2#12.D3
Board_15-/Sensor6: length 22.9
  In9.Cu w0.4: A2#12.D2 384.92,41.96 J6#15.1
Board_15-GND: length 137.9
  In1.Cu w0.4: 381.11,49.58 387.46,49.58 A2#12.GND1 ; 344.36,21.56 J1#12.1 ; J1#12.1 C1#16.2 U1#7.2 372.22,21.64 372.3,16.64 C2#10.2 405.24,16.56 R2#11.2 J6#15.8 392.54,24.18 A2#12.GND2 ; J1#12.1 J4#7.3
  In4.Cu w0.4: A2#12.GND2 392.54,39.42 A2#12.GND1
Board_15-Net-(D1-A): length 5.1
  In6.Cu w0.4: D1#13.2 A2#12.A7
Board_15-Net-(D1-K): length 10.2
  In6.Cu w0.4: D1#13.1 392.54,21.64 R2#11.1
Board_15-VCC: length 77.1
  Top w0.4: J6#15.7 395.96,26.81 A2#12.VIN 394.12,26.78 369.68,26.72 369.68,19.1 U1#7.1 367.14,16.56 C1#16.1 344.28,16.56 J1#12.2

## Copper pours and planes (outline as drawn; the poured copper is in the pictures)
(no net) on Top: 30.83,4.5 0.5,4.5 0.5,0.5 412.5,0.5 412.5,4.5 382.17,4.5 380.67,6 378.67,6 377.17,4.5 348.83,4.5 347.33,6 345.33,6 343.83,4.5 280.17,4.5 278.67,6 276.67,6 275.17,4.5 246.83,4.5 245.33,6 243.33,6 241.83,4.5 210,4.5 208.5,6 208.5,111 210,112.5 241.83,112.5 242.95,112 245.71,112 246.83,112.5 275.17,112.5 276.29,112 279.05,112 280.17,112.5 343.83,112.5 344.95,112 347.71,112 348.83,112.5 377.17,112.5 378.29,112 381.05,112 382.17,112.5 412.5,112.5 412.5,116.5 382.17,116.5 381.05,117 378.29,117 377.17,116.5 348.83,116.5 347.71,117 344.95,117 343.83,116.5 280.17,116.5 279.05,117 276.29,117 275.17,116.5 246.83,116.5 245.71,117 242.95,117 241.83,116.5 210,116.5 208.5,118 208.5,223 210,224.5 241.83,224.5 243.33,223 245.33,223 246.83,224.5 275.17,224.5 276.67,223 278.67,223 280.17,224.5 343.83,224.5 345.33,223 347.33,223 348.83,224.5 377.17,224.5 378.67,223 380.67,223 382.17,224.5 412.5,224.5 412.5,228.5 0.5,228.5 0.5,224.5 30.83,224.5 32.33,223 34.33,223 35.83,224.5 64.17,224.5 65.67,223 67.67,223 69.17,224.5 132.83,224.5 134.33,223 136.33,223 137.83,224.5 166.17,224.5 167.67,223 169.67,223 171.17,224.5 203,224.5 204.5,223 204.5,118 203,116.5 171.17,116.5 170.05,117 167.29,117 166.17,116.5 137.83,116.5 136.71,117 133.95,117 132.83,116.5 69.17,116.5 68.05,117 65.29,117 64.17,116.5 35.83,116.5 34.71,117 31.95,117 30.83,116.5 0.5,116.5 0.5,112.5 30.83,112.5 31.95,112 34.71,112 35.83,112.5 64.17,112.5 65.29,112 68.05,112 69.17,112.5 132.83,112.5 133.95,112 136.71,112 137.83,112.5 166.17,112.5 167.29,112 170.05,112 171.17,112.5 203,112.5 204.5,111 204.5,6 203,4.5 171.17,4.5 169.67,6 167.67,6 166.17,4.5 137.83,4.5 136.33,6 134.33,6 132.83,4.5 69.17,4.5 67.67,6 65.67,6 64.17,4.5 35.83,4.5 34.33,6 32.33,6
(no net) on Bottom: 30.83,4.5 0.5,4.5 0.5,0.5 412.5,0.5 412.5,4.5 382.17,4.5 380.67,6 378.67,6 377.17,4.5 348.83,4.5 347.33,6 345.33,6 343.83,4.5 280.17,4.5 278.67,6 276.67,6 275.17,4.5 246.83,4.5 245.33,6 243.33,6 241.83,4.5 210,4.5 208.5,6 208.5,111 210,112.5 241.83,112.5 242.95,112 245.71,112 246.83,112.5 275.17,112.5 276.29,112 279.05,112 280.17,112.5 343.83,112.5 344.95,112 347.71,112 348.83,112.5 377.17,112.5 378.29,112 381.05,112 382.17,112.5 412.5,112.5 412.5,116.5 382.17,116.5 381.05,117 378.29,117 377.17,116.5 348.83,116.5 347.71,117 344.95,117 343.83,116.5 280.17,116.5 279.05,117 276.29,117 275.17,116.5 246.83,116.5 245.71,117 242.95,117 241.83,116.5 210,116.5 208.5,118 208.5,223 210,224.5 241.83,224.5 243.33,223 245.33,223 246.83,224.5 275.17,224.5 276.67,223 278.67,223 280.17,224.5 343.83,224.5 345.33,223 347.33,223 348.83,224.5 377.17,224.5 378.67,223 380.67,223 382.17,224.5 412.5,224.5 412.5,228.5 0.5,228.5 0.5,224.5 30.83,224.5 32.33,223 34.33,223 35.83,224.5 64.17,224.5 65.67,223 67.67,223 69.17,224.5 132.83,224.5 134.33,223 136.33,223 137.83,224.5 166.17,224.5 167.67,223 169.67,223 171.17,224.5 203,224.5 204.5,223 204.5,118 203,116.5 171.17,116.5 170.05,117 167.29,117 166.17,116.5 137.83,116.5 136.71,117 133.95,117 132.83,116.5 69.17,116.5 68.05,117 65.29,117 64.17,116.5 35.83,116.5 34.71,117 31.95,117 30.83,116.5 0.5,116.5 0.5,112.5 30.83,112.5 31.95,112 34.71,112 35.83,112.5 64.17,112.5 65.29,112 68.05,112 69.17,112.5 132.83,112.5 133.95,112 136.71,112 137.83,112.5 166.17,112.5 167.29,112 170.05,112 171.17,112.5 203,112.5 204.5,111 204.5,6 203,4.5 171.17,4.5 169.67,6 167.67,6 166.17,4.5 137.83,4.5 136.33,6 134.33,6 132.83,4.5 69.17,4.5 67.67,6 65.67,6 64.17,4.5 35.83,4.5 34.33,6 32.33,6
